# Altium PCB BLDC_DEV_LKS074D(O)_V1.10.PcbDoc (part 2 of 2)
Units mil, origin at the board's own origin, x right, y up, seen from the top; angles counter-clockwise.
Board outline 7086.61 x 4330.71 mil, 2 copper layers (Top Layer, Bottom Layer); 170 components, 78 nets, 454 pads, 395 vias.
Unrouted connection lines stored in the file: 1.
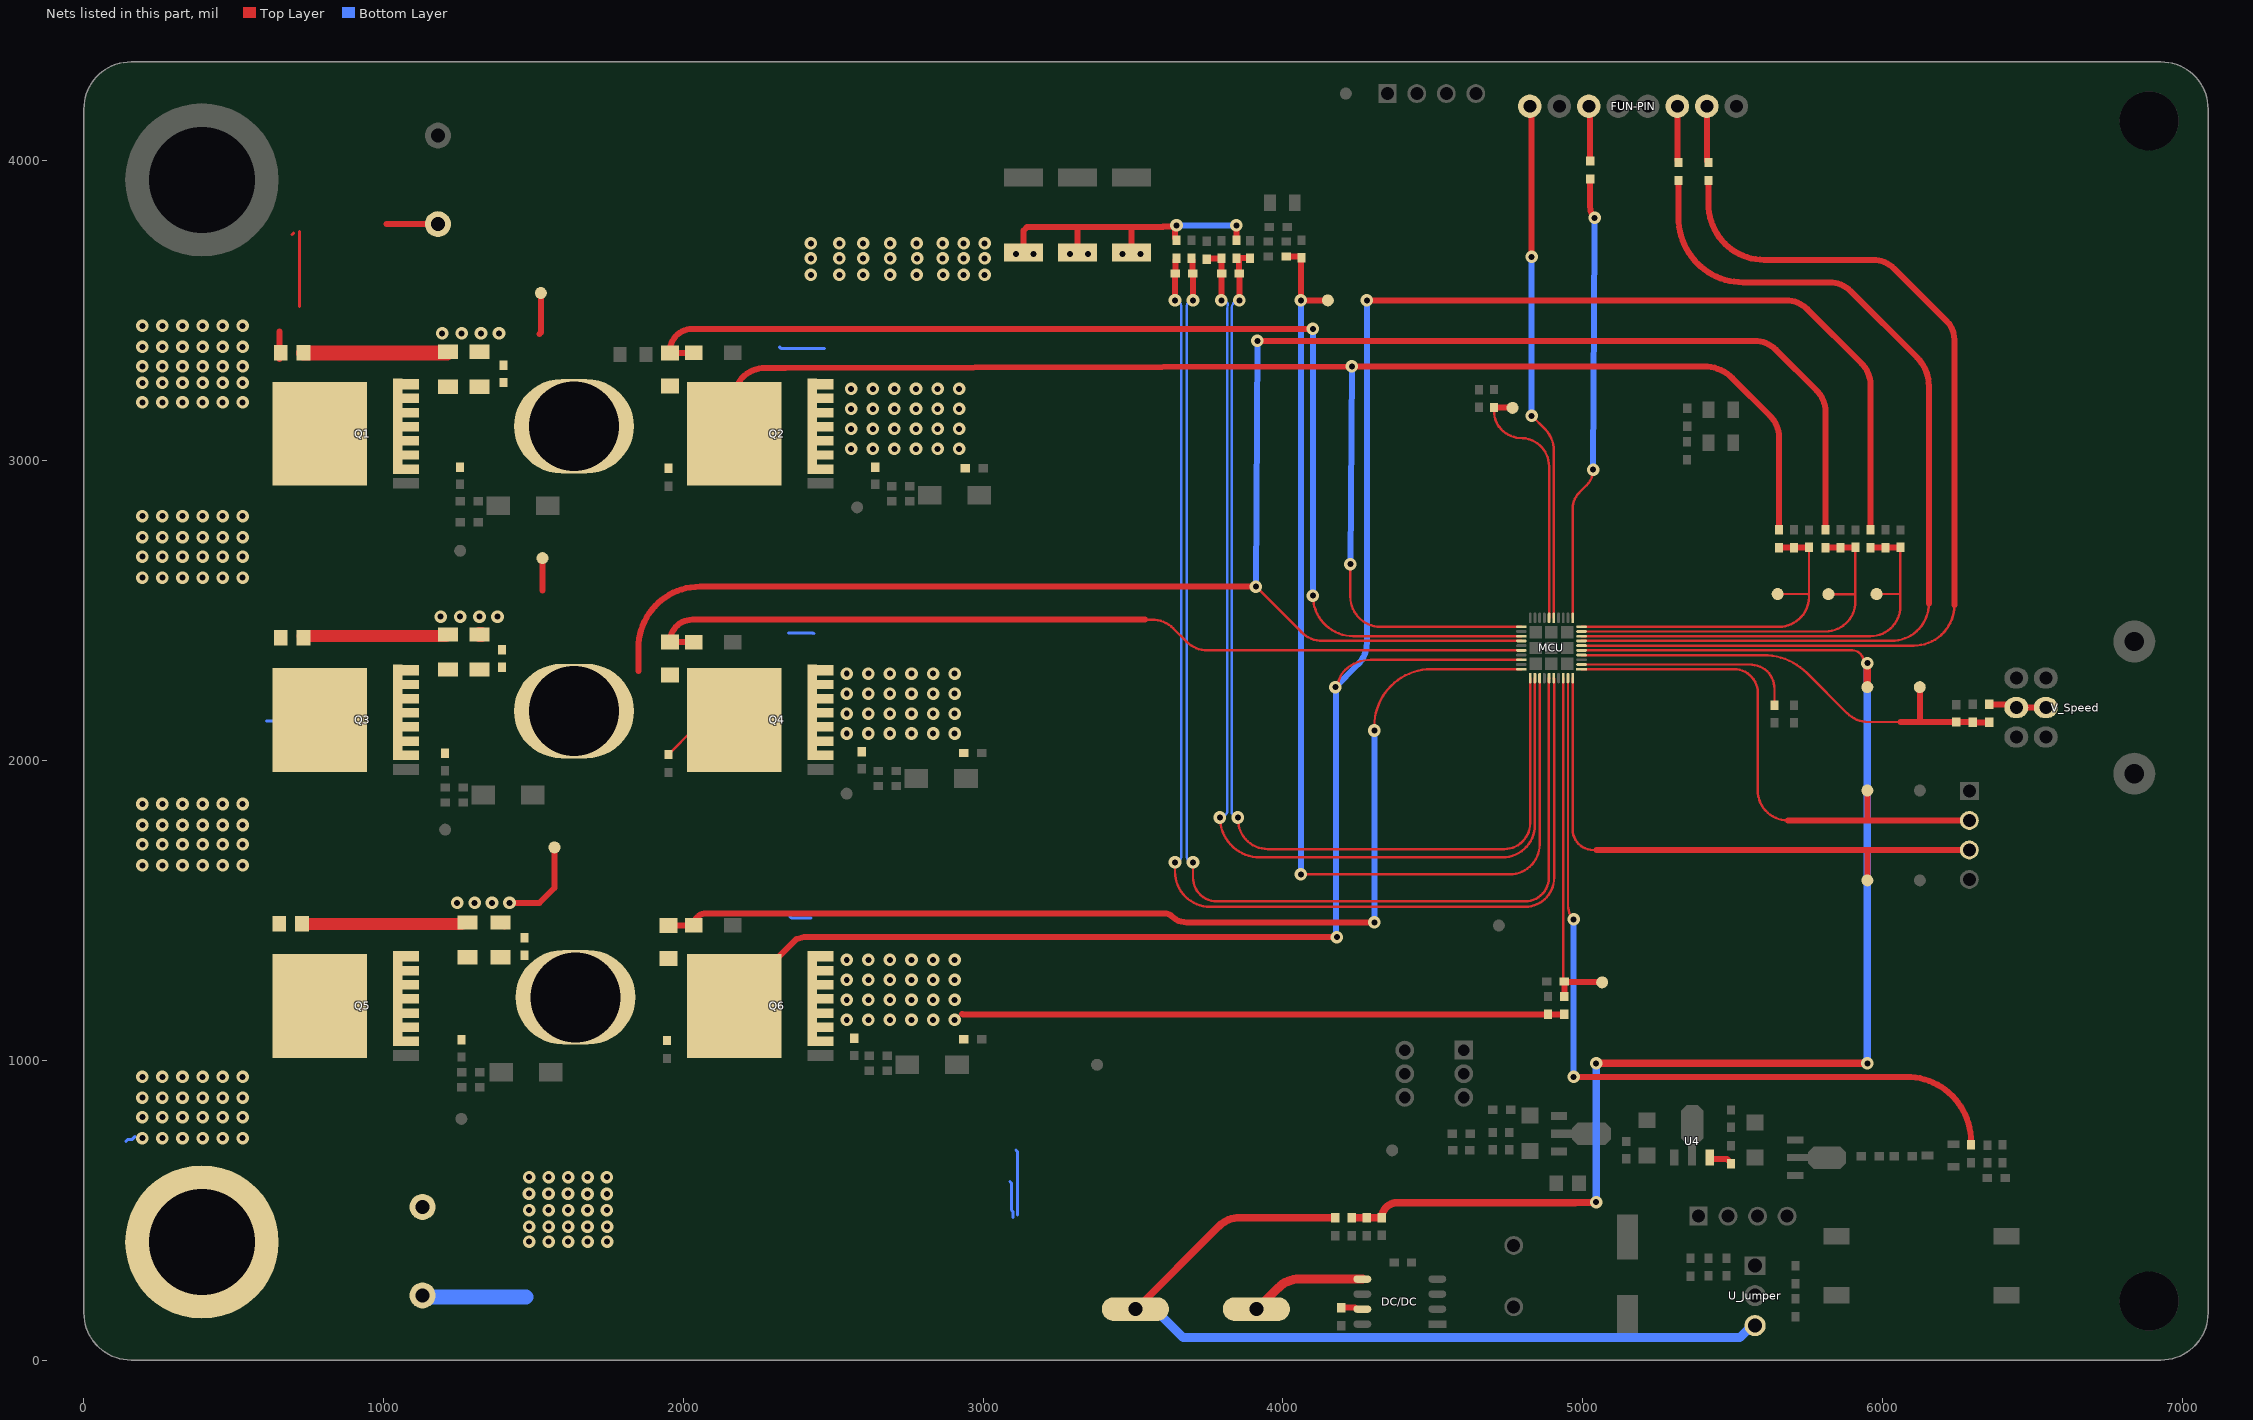
[diagram p2: the nets of this part, all layers, seen from the top]

## Via types
v1: diameter 42, hole 20, Top Layer to Bottom Layer, 395 vias

## Nets (pads, with @x,y where several pads share a name; then routed paths per layer and width w, separated by ;. In a path a pad name is that pad's centre, name@x,y a point inside that pad or via, vN(x,y) a via of type N, cw(c..) or ccw(c..) an arc to the next point about the centre after c; other vN are vias at no path point) (continued)
NetR11_2: R11.2 U4.3 | length 80.8
  Top Layer w20: U4.3@5424.8,675 5424.8,673.03 5427.83,670 5481.97,670 5495,656.97 R11.2@5495,655
NetR17_1: FUN-PIN.2 R17.1 | length 183
  Top Layer w20: FUN-PIN.2@5414.25,4182.59 cw(c5414.25,4181.84) 5415,4181.84 R17.1@5415,4000
NetR18_1: FUN-PIN.3 R18.1 | length 181.7
  Top Layer w20: R18.1@5315.83,4000.88 5315.83,4182.48 cw(c5335.83,4182.48) FUN-PIN.3@5315.83,4182.59
NetRK1_1: RK1.1 V_Speed.3 V_Speed.5 | length 195.1
  Top Layer w20: RK1.1@6356.22,2187.61 6435.54,2187.61 cw(c6435.54,2176.58) V_Speed.3@6446.57,2176.58 V_Speed.5@6545,2176.58
NetRM1_1: FUN-PIN.6 RM1.1 | length 185.1
  Top Layer w20: FUN-PIN.6@5020.55,4182.59 cw(c5020.55,4178.14) 5025,4178.14 RM1.1@5025,4000
NetRX1_2: DC/DC.7 RX1.2 | length 72.1
  Top Layer w20: RX1.2@4195,175 4241.15,175 4246.15,170 DC/DC.7@4265,170
NetU7_5: DC/DC.5 U_POWER.1 | length 862.8
  Top Layer w20: U_POWER.1@3911.77,170 U_POWER.1@3983.23,170
  Top Layer w30: 3984.25,240.71 cw(c4054.96,170) 4054.96,270 ; 3984.25,240.71 cw(c4054.96,170) 4054.96,270 ; 3984.25,240.71 3908.54,165 3913.54,170 3984.25,240.71 ; 4054.96,270 DC/DC.5@4265,270 4054.96,270
NRST: C24.2 MCU.2 | length 745.1
  Top Layer w8: MCU.2@4996.26,2320.28 5555.99,2320.28 cw(c5556.05,2229.98) 5615.27,2298.15 cw(c5610.02,2292.11) 5615.67,2297.77 cw(c5556.32,2238.79) 5640,2238.79 C24.2@5640,2184.06
NTC: C11.2 MCU.33 NTC.1 RN1.1 | length 3618.8
  Top Layer w8: v1(4060,1620) 4756.5,1620 ccw(c4756.5,1720) 4856.5,1720 MCU.33@4856.5,2275
  Top Layer w20: RN1.1@4011.85,3681.65 C11.2@4057.79,3681.65 ; NTC.1@4150,3535 v1(4060,3535) C11.2@4060,3675.75 ; C11.2@4057.79,3681.65 cw(c4057.79,3677.6) C11.2@4061.85,3677.6 ; C11.2@4057.79,3681.65 cw(c4057.79,3677.6) C11.2@4061.85,3677.6 ; C11.2@4060,3675.75 cw(c4061.85,3675.75) C11.2@4061.85,3677.6 ; C11.2@4060,3675.75 cw(c4061.85,3675.75) C11.2@4061.85,3677.6
  Bottom Layer w20: v1(4060,1620) v1(4060,3535)
OC: C1.1 MCU.38 OC.1 R30.2 | length 1188.7
  Top Layer w8: MCU.38@4935.24,2275 4935.24,1269.53 ccw(c4944.74,1269.53) C1.1@4938.02,1262.81
  Top Layer w20: R30.2@4939.02,1212.81 4939.02,1261.81 4939.42,1261.4 5063.6,1261.4 OC.1@5065,1260
OPA2_IN: C17.2 CT0.1 MCU.32 RT1-.2 | length 3629.9
  Top Layer w8: v1(3790,1810) ccw(c3923,1810) 3923,1677 4732.75,1677 ccw(c4732.75,1785) 4840.75,1785 MCU.32@4840.75,2275
  Top Layer w20: RT1-.2@3745.86,3672.23 3747.72,3674.09 3793.14,3674.09 C17.2@3795,3675.95 3795.5,3675.45 C17.2@3795.5,3672.81 ; v1(3795,3535) 3795.5,3535.5 3795.5,3624.5 CT0.1@3796,3625 3795.5,3625.5 C17.2@3795.5,3672.81 ; C17.2@3795.39,3672.7 C17.2@3795.5,3672.81 ; C17.2@3795.86,3673.18 C17.2@3795.5,3672.81 ; CT0.1@3796.22,3625 CT0.1@3800,3621.22
  Bottom Layer w8: v1(3790,1810) ccw(c3790,1835) 3815,1835 3815,3509 cw(c3855,3509) 3816.26,3518.95 ccw(c3808.5,3520.91) 3814.52,3526.18 ccw(c3795,3509) v1(3795,3535)
OPA2_IP: C18.1 CT0.2 MCU.31 RT1+.2 | length 3518.2
  Top Layer w8: v1(3850,1810) 3850,1804.5 ccw(c3950,1804.5) 3950,1704.5 3980,1704.5 4738.5,1704.5 ccw(c4738.5,1791) 4825,1791 MCU.31@4825,2275
  Top Layer w20: RT1+.2@3845,3675.95 3845,3673.98 3854.06,3664.92 CT0.2@3854.06,3625 3854.53,3624.53 3854.53,3535.47 v1(3855,3535) ; RT1+.2@3845.03,3675.97 C18.1@3890,3676 ; CT0.2@3850,3621.22 CT0.2@3853.78,3625
  Bottom Layer w8: v1(3850,1810) cw(c3850,1831) 3829,1831 3829,3509 cw(c3855,3509) v1(3855,3535)
OPA3_IN: CT.2 MCU.35 RT0-.1 | length 4039.7
  Top Layer w8: v1(3700,1660) 3700,1610 ccw(c3780,1610) 3780,1530 4807.99,1530 ccw(c4807.99,1608.98) 4886.97,1608.98 4886.97,2275 MCU.35@4887.99,2275
  Top Layer w15: RT0-.1@3695,3675 RT0-.1@3697.03,3672.97
  Top Layer w20: RT0-.1@3695,3675 3695,3673.03 3699.06,3668.98 CT.2@3699.06,3625 3699.53,3624.53 3699.53,3535.47 v1(3700,3535)
  Bottom Layer w8: v1(3700,1660) cw(c3700,1681) 3679,1681 3679,3514 cw(c3700,3514) v1(3700,3535)
  Bottom Layer w20: v1(3700,3535) v1@3701,3535
OPA3_IP: CT.1 MCU.36 RT0+.1 | length 4128.8
  Top Layer w8: v1(3640,1660) 3640,1628.98 ccw(c3756.98,1628.98) 3756.98,1512 4807.99,1512 ccw(c4807.99,1608.98) 4904.97,1608.98 4904.97,2259 ccw(c4896.97,2258.96) 4904.9,2260.01 cw(c4919.49,2262.01) 4904.76,2262.01 4904.76,2271.08 ccw(c4896.76,2271.08) 4904.44,2273.33 4903.74,2273.33 MCU.36@4903.74,2275
  Top Layer w15: RT0+.1@3643,3673 RT0+.1@3645,3675
  Top Layer w20: v1(3640,3535) 3640.5,3535.5 3640.5,3624.5 CT.1@3641,3625 3641,3669.03 3645,3673.03 RT0+.1@3645,3675
  Bottom Layer w8: v1(3640,1660) ccw(c3640,1681) 3661,1681 3661,3514 ccw(c3640,3514) v1(3640,3535)
OPA_OUT: MCU.16 OPA-OUT.1 R31.1 | length 869
  Top Layer w8: R31.1@4704.74,3177.6 ccw(c4794.52,3166.46) 4779.07,3077.32 ccw(c4811.26,3263.44) 4809.31,3074.56 cw(c4809.2,3066.56) 4810.68,3074.43 cw(c4793.14,2981.21) 4887.99,2981.5 MCU.16@4887.99,2475.79
  Top Layer w20: R31.1@4703.98,3177.69 4704.74,3177.69 4764.88,3177.69 cw(c4764.88,3176.55) OPA-OUT.1@4766.02,3176.55
PA: C123.1 MCU.10 PA.1 R61-22K.1 R62.2 | length 1185.9
  Top Layer w8: MCU.10@4996.26,2446.26 5655,2446.26 ccw(c5655,2546.26) 5754.62,2554.97 ; PA.1@5650.39,2555.39 5754.61,2555.39 5755,2555 5755,2710 C123.1@5755,2711
  Top Layer w20: R61-22K.1@5655,2710 R62.2@5705,2710 5754,2710 ccw(c5754,2711) C123.1@5755,2711
PB: C124.1 MCU.9 PB.1 R63-22K.1 R64.2 | length 1341.9
  Top Layer w8: MCU.9@4996.26,2430.51 5810,2430.51 ccw(c5810,2530.51) 5910,2530.51 5910,2555 ; PB.1@5820,2555 5910,2555 ; C124.1@5910,2711 5910,2555
  Top Layer w20: R63-22K.1@5810,2710 R64.2@5860,2710 5909,2710 ccw(c5909,2711) C124.1@5910,2711
PC: C125.1 MCU.8 PC.1 R66-22K.1 R67.2 | length 1497.4
  Top Layer w8: MCU.8@4996.26,2414.76 5009.25,2414.76 5949.99,2415 cw(c5950,2370) 5951.14,2414.99 5959.8,2414.77 ccw(c5960,2422.76) 5960,2414.76 ccw(c5960,2514.76) 6060,2514.76 6060,2555 ; PC.1@5980.39,2555.39 6059.61,2555.39 6060,2555 ; C125.1@6060,2711 6060,2555
  Top Layer w20: R66-22K.1@5960,2710 R67.2@6010,2710 6059,2710 ccw(c6059,2711) C125.1@6060,2711
PGND: CA1.2 CB1.2 CC1.2 CLA1.2 CLB1.2 CLC1.2 CT1.2 CU.2 CV.2 CW.2 PGND.1 Q2.2 Q2.3 Q2.4 Q2.5 Q2.6 Q2.7 Q2.8 Q4.2 Q4.3 Q4.4 Q4.5 Q4.6 Q4.7 Q4.8 Q6.2 Q6.3 Q6.4 Q6.5 Q6.6 Q6.7 Q6.8 R10.1 R30.1 RLA.1 RLB.1 RLC.1 RS1.1 RS2.1 RS3.1 RT0+.2 RT1+.1 RU0.1 RU1.1 RV0.1 RV1.1 RW3.1 RW4.1 | length 6096.6
  Top Layer w20: RU0.1@1211.78,3360 RU0.1@1215,3363.22 ; RW3.1@1390,1460 RW3.1@1403.77,1446.23 ; v1(1420,1525) 1520,1525 1570,1575 PGND.1@1570,1710 ; 1520,3423 1524.61,3427.61 PGND.1@1524.61,3559.61 ; 1530,2567 PGND.1@1530,2675 ; 2930,1155 ccw(c2935.29,1160.29) 2935.29,1152.81 R10.1@4884.02,1152.81 R30.1@4939.02,1152.81 ; RS3.1@3135,3695 3135,3768.28 3146.72,3780 3600,3780 3600.79,3780.79 v1@3640.79,3780.79 ; RS2.1@3315,3695 3315,3770 ; RS1.1@3495,3695 3495,3770 ; RT0+.2@3640.79,3742.29 v1@3640.79,3780.79 ; v1(3645,3785) v1@3640.79,3780.79 ; RT1+.1@3845,3735.95 v1(3845,3785)
  Top Layer w40: CB1.2@730,2415 RV1.1@1208.78,2415 ; CC1.2@740,1455 RW4.1@1260,1455
  Top Layer w50: CA1.2@733,3360 RU0.1@1211.78,3360 ; RV0.1@1320,2420 RV0.1@1327.25,2420
  Bottom Layer w10: 2320,3380 2325,3375 2470,3375 ; 2350,2425 2433,2425 2435,2423 ; 2355,1480 2360,1475 2425,1475 ; 3090,595 3095,590 3095,500 3100,495 3100,475 ; 3110,700 3115,695 3115,483
  Bottom Layer w20: v1(3645,3785) v1(3845,3785)
  Bottom Layer w50: CT1.2@1130,210 1475,210
  other v1: 2545,1135 2617,1135 2689,1135 2761,1135 2833,1135 2905,1135 2545,1201.67 2617,1201.67 2689,1201.67 2761,1201.67 2833,1201.67 2905,1201.67 2545,1268.33 2617,1268.33 2689,1268.33 2761,1268.33 2833,1268.33 2905,1268.33 2545,1335 2617,1335 2689,1335 2761,1335 2833,1335 2905,1335 1245,1525 1303.33,1525 1361.67,1525 2545,2090 2617,2090 2689,2090 2761,2090 2833,2090 2905,2090 2545,2156.67 2617,2156.67 2689,2156.67 2761,2156.67 2833,2156.67 2905,2156.67 2545,2223.33 2617,2223.33 2689,2223.33 2761,2223.33 2833,2223.33 2905,2223.33 2545,2290 2617,2290 2689,2290 2761,2290 2833,2290 2905,2290 1190,2480 1255,2480 1320,2480 1380,2480 2560,3040 2632,3040 2704,3040 2776,3040 2848,3040 2920,3040 2560,3106.67 2632,3106.67 2704,3106.67 2776,3106.67 2848,3106.67 2920,3106.67 2560,3173.33 2632,3173.33 2704,3173.33 2776,3173.33 2848,3173.33 2920,3173.33 2560,3240 2632,3240 2704,3240 2776,3240 2848,3240 2920,3240 1195,3425 1260,3425 1325,3425 1385,3425 2425,3620 2520,3620 2600,3620 2690,3620 2778.33,3620 2866.67,3620 2935,3620 3005,3620 2425,3675 2520,3675 2600,3675 2690,3675 2780,3675 2865,3675 2935,3675 3005,3675 3110,3690 3168.33,3690 3290,3690 3350,3690 3465,3690 3525,3690 2425,3725 2520,3725 2600,3725 2690,3725 2778.33,3725 2865,3725 2935,3725 3005,3725
Power_Con: MCU.39 R22.1 | length 2795.5
  Top Layer w8: MCU.39@4950.98,2275 4950.98,1515.91 ccw(c5015.91,1515.91) v1(4970,1470)
  Top Layer w20: v1(4970,945) 6080,945 cw(c6080,729.72) 6295.28,729.72 R22.1@6295.28,717.45
  Bottom Layer w20: v1(4970,945) v1(4970,1470)
PWM_IN: MCU.11 RM1.2 | length 1504.8
  Top Layer w8: MCU.11@4966.55,2476.12 4966.55,2840 cw(c5042.73,2840) 4988.87,2893.87 5013.79,2918.79 ccw(c4962.57,2970) v1(5035,2970) ; RM1.2@5025,3940 cw(c5025,3935) RM1.2@5030,3935
  Top Layer w20: RM1.2@5025,3940 5025,3846.21 ccw(c5076.21,3846.21) v1(5040,3810)
  Bottom Layer w20: v1@5030,2975 v1(5035,2970) cw(c5055,2970.14) 5035,2970.2 5035.03,2974.97 5039.68,3748.91 v1(5040,3810)
RX: MCU.6 R17.2 | length 3335.3
  Top Layer w8: MCU.6@4996.26,2383.27 6105,2383.27 ccw(c6105,2518.27) 6240,2518.27
  Top Layer w20: R17.2@5420,3935 5420,3855.48 ccw(c5605.48,3855.48) 5605.48,3670 5968.58,3670 cw(c5968.58,3570) 6039.29,3640.71 6215.25,3464.75 cw(c6155.5,3405) 6240,3405 6240,2518.27
STATE: FUN-PIN.8 MCU.15 | length 1751.6
  Top Layer w8: FUN-PIN.8@4823.7,4182.59 cw(c4823.7,4176.29) FUN-PIN.8@4830,4176.29 ; v1(4830,3150) 4874.45,3105.55 cw(c4803.74,3034.84) 4903.74,3034.84 MCU.15@4903.74,2475.79
  Top Layer w20: v1(4830,3680) 4830,4168.02 ccw(c4810,4168.02) 4824.4,4181.9 FUN-PIN.8@4830,4176.29
  Bottom Layer w20: v1(4830,3150) v1(4830,3680)
SWCLK: ?.3 CLK.1 MCU.40 | length 1968.9
  Top Layer w8: MCU.40@4966.73,2275 4966.73,1770 ccw(c5035.15,1770) 5035.15,1701.59 5046.18,1701.59
  Top Layer w20: 5046.18,1701.59 5950,1701.59 ; CLK.1@5950,1600 5950,1701.59 ; ?.3@6290,1701.59 5950,1701.59
SWDIO: ?.2 DIO.1 MCU.1 | length 1821.6
  Top Layer w8: MCU.1@4996.26,2304.53 5505.47,2304.53 cw(c5505.47,2225.79) 5584.21,2225.79 5584.21,1900 ccw(c5684.21,1900) 5684.21,1800
  Top Layer w20: 5684.21,1800 5950,1800 ; DIO.1@5950,1900 5950,1800 ; ?.2@6290,1800 5950,1800
TX: MCU.7 R18.2 | length 3203.8
  Top Layer w8: MCU.7@4996.26,2399.02 6030,2399.02 ccw(c6030,2524.02) 6155,2524.02
  Top Layer w20: R18.2@5320,3935 5320,3810.1 ccw(c5535.1,3810.1) 5535.1,3595 5823.58,3595 cw(c5823.58,3495) 5894.29,3565.71 6115.71,3344.29 cw(c6020.86,3249.44) 6155,3249.5 6155,2524.02
UX: CA.2 CHA1.2 CU.1 MCU.21 pad.U Q1.2 Q1.3 Q1.4 Q1.5 Q1.6 Q1.7 Q1.8 Q2.9 R61-22K.2 RHA.1 RU0.2 RU1.2 | length 5586
  Top Layer w8: v1(4225,2655) 4225,2546.26 ccw(c4325,2546.26) 4325,2446.26 MCU.21@4795.47,2446.26
  Top Layer w20: CA.2@1955,3250 CA.2@1960,3250 ; Q2.9@2242.83,3162.83 Q2.9@2170,3090 2170,3208.89 cw(c2270,3208.89) 2262.95,3308.64 cw(c2270,3208.89) 2270,3308.89 2340,3308.89 v1(4230,3315) 4291,3315 5404.35,3315 5404.5,3315 cw(c5404.44,3180.86) 5499.29,3275.71 5625.71,3149.29 cw(c5555,3078.58) 5655,3078.58 R61-22K.2@5655,2770
  Bottom Layer w20: v1(4225,2655) v1(4230,3315)
V_Speed: CS0.2 MCU.4 RK1.2 RS0.2 V_Speed.1@6124.61,2244.61 | length 1556
  Top Layer w8: MCU.4@4996.26,2351.77 5603.24,2351.77 cw(c5603.3,2146.73) 5748.27,2291.73 5748.34,2291.66 5882.15,2157.85 ccw(c5952.86,2228.56) 5952.86,2128.56 6060,2128.56
  Top Layer w20: 6060,2128.56 6125,2128.56 ; V_Speed.1@6124.61,2244.61 6124.61,2128.95 6125,2128.56 ; RK1.2@6356.22,2127.61 RS0.2@6301.22,2127.61 ccw(c6300.27,2127.61) 6300.27,2128.56 CS0.2@6246.22,2128.56 6125,2128.56
VB1: CA.1 D5.2 MCU.23 | length 3935.5
  Top Layer w8: v1(4100,2550) ccw(c4235.23,2550) 4235.23,2414.77 MCU.23@4795.47,2414.76
  Top Layer w20: D5.2@2035.04,3360 CA.1@1955,3360 1955,3365 cw(c2030,3365) 2030,3440 v1(4100,3440)
  Bottom Layer w20: v1(4100,2550) v1(4100,3440)
VB2: CB.1 D6.2 MCU.26 | length 2997.2
  Top Layer w8: 3540,2470 3563.58,2470 cw(c3563.58,2370) 3634.29,2440.71 3678.19,2396.81 ccw(c3748.9,2467.52) 3748.9,2367.52 MCU.26@4795.47,2367.52
  Top Layer w20: D6.2@2035.04,2395 CB.1@1955,2395 cw(c2030,2395) 2030,2470 3540,2470
VB3: CC.1 D7.2 MCU.30 | length 3639.3
  Top Layer w8: v1(4305,2100) 4305,2114.6 cw(c4494.93,2114.6) 4494.93,2304.53 MCU.30@4795.47,2304.53
  Top Layer w20: CC.1@1950,1450 D7.2@2035.04,1450 cw(c2075.06,1450) 2075.06,1490.02 3605.82,1490.02 cw(c3605.82,1455.82) 3630,1480 ccw(c3678.22,1528.22) 3678.22,1460.03 3754.49,1460.03 v1(4305,1460)
  Bottom Layer w20: v1(4305,1460) v1(4305,2100)
VBUS: C16.1 MCU.5 R40.2 R42.2 VBUS.1 | length 4601.5
  Top Layer w8: MCU.5@4996.26,2367.52 5899.24,2367.52 cw(c5899.29,2329.8) 5936.15,2337.81 ccw(c5943.96,2339.56) v1@5939.12,2333.19 ; v1@5939.15,2333.17 v1(5950,2325)
  Top Layer w25: R40.2@4230,475 R42.2@4280,475 4281.28,475 4328.72,475 C16.1@4330,474 cw(c4381,474) 4381,525 4974,525 ccw(c4974,550) 4974.68,525.01 v1(5045,527) ; v1(5045,990) v1(5950,990) ; VBUS.1@5949.61,2244.61 5949.8,2244.8 5949.8,2324.8 v1(5950,2325)
  Bottom Layer w25: v1(5045,527) v1(5045,990) ; v1(5950,990) v1(5950,2325)
VCC: CA1.1 CB1.1 CC1.1 CT1.1 CT2.1 pad.VCC Q1.9 Q3.9 Q5.9 R8.1 U_Jumper.3 U_POWER.2 | length 4133.3
  Top Layer w10: 695,3755 700,3760 ; 720,3515 720,3765
  Top Layer w20: CA1.1@652,3340 652,3432 ; 1009.37,3789.37 CT2.1@1181.11,3789.38
  Top Layer w25: U_POWER.2@3505,165 3785.71,445.71 ; 3785.71,445.71 cw(c3856.42,375) 3856.42,475 ; 3785.71,445.71 cw(c3856.42,375) 3856.42,475 ; 3856.42,475 R8.1@4175,475 3856.42,475
  Bottom Layer w10: 140,729.14 145.86,735 160,735 170,745 ; 610,2131 724,2131 725,2130 ; 645,3099 724,3099 725,3100 ; 660,1175 720,1175
  Bottom Layer w25: U_POWER.2@3508.23,170 U_POWER.2@3581.06,170
  Bottom Layer w30: U_POWER.2@3577.83,165 3667.83,75 5523.94,75 5563.94,115 U_Jumper.3@5575,115 U_Jumper.3@5575,110
  other v1: 1485.78,395 1550.78,395 1615.78,395 1680.78,395 1745.78,395 1485.78,445 1550.78,445 1615.78,445 1680,445 1745.78,445 1485.78,500 1550.78,500 1615.78,500 1680,500 1745,500 1680,553.75 1745,553.75 1485,555 1550,555 1615,555 1485.78,610 1550.78,610 1615.78,610 1680.78,610 1745,610 195,740 262,740 329,740 396,740 463,740 530,740 195,810 262,810 329,810 396,810 463,810 530,810 195,875 262,875 329,875 396,875 463,875 530,875 195,945 262,945 329,945 396,945 463,945 530,945 195,1650 262,1650 329,1650 396,1650 463,1650 530,1650 195,1720 262,1720 329,1720 396,1720 463,1720 530,1720 195,1785 262,1785 329,1785 396,1785 463,1785 530,1785 195,1855 262,1855 329,1855 396,1855 463,1855 530,1855 195,2610 262,2610 329,2610 396,2610 463,2610 530,2610 195,2680 262,2680 329,2680 396,2680 463,2680 530,2680 195,2745 262,2745 329,2745 396,2745 463,2745 530,2745 195,2815 262,2815 329,2815 396,2815 463,2815 530,2815 195,3195 262,3195 329,3195 396,3195 463,3195 530,3195 195,3260 262,3260 329,3260 396,3260 463,3260 530,3260 195,3315 262,3315 329,3315 396,3315 463,3315 530,3315 195,3380 262,3380 329,3380 396,3380 463,3380 530,3380 195,3450 262,3450 329,3450 396,3450 463,3450 530,3450
VS2: CB.2 CHB1.2 CV.1 MCU.24 pad.V Q3.2 Q3.3 Q3.4 Q3.5 Q3.6 Q3.7 Q3.8 Q4.9 R63-22K.2 RHB.1 RV0.2 RV1.2 | length 6694.9
  Top Layer w8: RHB.1@1950,2020 2036.26,2106.26 cw(c2106.97,2035.55) 2106.97,2135.55 Q4.9@2170,2135.55 ; v1(3910,2580) 4061.69,2428.31 ccw(c4132.41,2499.02) 4132.41,2399.02 MCU.24@4795.47,2399.02
  Top Layer w20: 1850,2299 1850,2375 cw(c2055,2375) 2055,2580 v1(3910,2580) ; v1(3915,3400) 5573.58,3400 cw(c5573.58,3300) 5644.29,3370.71 5780.71,3234.29 cw(c5710,3163.58) 5810,3163.58 R63-22K.2@5810,2770
  Bottom Layer w20: v1(3910,2580) v1(3915,3400)
VS3: CC.2 CHC1.2 CW.1 MCU.28 pad.W Q5.2 Q5.3 Q5.4 Q5.5 Q5.6 Q5.7 Q5.8 Q6.9 R66-22K.2 RHC.1 RW3.2 RW4.2 | length 7239.8
  Top Layer w8: v1(4175,2245) 4176.01,2245 4179,2245 4181.26,2246.96 ccw(c4176.01,2253) 4182.12,2247.83 4183.68,2249.69 4183.81,2249.68 cw(c4261.66,2245.67) 4207.94,2302.16 cw(c4292.71,2212.98) 4292.71,2336.02 MCU.28@4795.47,2336.02
  Top Layer w20: Q6.9@2170,1181.1 2170,1196.85 2377.17,1404.02 2401.93,1411 v1(4180,1411) ; v1(4280,3535) 5678.58,3535 cw(c5678.58,3435) 5749.29,3505.71 5930.71,3324.29 cw(c5860,3253.58) 5960,3253.58 R66-22K.2@5960,2770
  Bottom Layer w20: v1(4180,1411) 4177.5,1413.5 4177.5,2242.5 v1(4175,2245) 4250.71,2320.71 ccw(c4180,2391.42) 4280,2391.42 v1(4280,3535)
pads on no net: CW/CCW.1@4603.42,1033.74 CW/CCW.4 CW/CCW.6 DC/DC.3 DC/DC.6 V_Speed.0

## Polygon pours and split planes (outlines as drawn)
UX on Top Layer "UX_L01_P000" (hatched Horizontal grid 4 track 5, remove dead copper, pour order 0): 1030,3275 2330,3275 2330,2955 1030,2955
NetCHB1_1 on Top Layer "NETCHB1_1_L01_P124" (hatched Horizontal grid 4 track 5, remove dead copper, pour order 124): 1032.5,1985 1220,1985 1220,1840 1032.5,1840
HO3 on Top Layer "HO3_L01_P123" (hatched Horizontal grid 4 track 5, remove dead copper, pour order 123): 1515,930 1515,900 1597.33,900 1597.33,930
HO3 on Top Layer "HO3_L01_P122" (hatched Horizontal grid 4 track 5, remove dead copper, pour order 122): 1516.33,980 1597.33,980 1597.33,1016.46 1516.33,1016.46
HO2 on Top Layer "HO2_L01_P121" (hatched Horizontal grid 4 track 5, remove dead copper, pour order 121): 1455.28,1825 1537.69,1825 1537.69,1855 1455.28,1855
HO2 on Top Layer "HO2_L01_P120" (hatched Horizontal grid 4 track 5, remove dead copper, pour order 120): 1460,1913.54 1537.33,1913.54 1537.33,1970 1460,1970
HO1 on Top Layer "HO1_L01_P119" (hatched Horizontal grid 4 track 5, remove dead copper, pour order 119): 1510,2785 1587.33,2785 1587.33,2820 1510,2820
HO1 on Top Layer "HO1_L01_P118" (hatched Horizontal grid 4 track 5, remove dead copper, pour order 118): 1511.96,2878.54 1588.04,2878.54 1588.04,2925 1511.96,2925
VCC on Top Layer "VCC_L01_P117" (hatched Horizontal grid 4 track 5, remove dead copper, pour order 117): 665,1352.5 665,1010 695,1010 695,1352.5
PGND on Top Layer "PGND_L01_P115" (hatched Horizontal grid 4 track 5, remove dead copper, pour order 115): 3050,3752.5 3050,3785 3595,3785 3595,3752.5
GND on Top Layer "GND_L01_P114" (hatched Horizontal grid 4 track 5, remove dead copper, pour order 114): 3055,3875 3055,3835 3590,3835 3590,3875
LDO5V on Top Layer "LDO5V_L01_P113" (hatched Horizontal grid 4 track 5, remove dead copper, pour order 113): 4745,855 4745,790 4950,790 4950,855
12V on Top Layer "12V_L01_P112" (hatched Horizontal grid 4 track 5, remove dead copper, pour order 112): 4895,650 4895,611.95 4893.05,610 4935,610 4935,650
12V on Top Layer "12V_L01_P111" (hatched Horizontal grid 4 track 5, remove dead copper, pour order 111): 4895,650 5330,650 5330,705 4895,705
LO3 on Top Layer "LO3_L01_P110" (hatched Horizontal grid 4 track 5, remove dead copper, pour order 110): 2885,930 3015,930 3015,1015 2885,1015
LO3 on Top Layer "LO3_L01_P109" (hatched Horizontal grid 4 track 5, remove dead copper, pour order 109): 2980,1080 2980,980 3010,980 3010,1080
LO2 on Top Layer "LO2_L01_P108" (hatched Horizontal grid 4 track 5, remove dead copper, pour order 108): 2904.65,1880 3015,1880 3015,1910 2904.65,1910
LO2 on Top Layer "LO2_L01_P107" (hatched Horizontal grid 4 track 5, remove dead copper, pour order 107): 2980,2040 2980,1910 3010,1910 3010,2040
LO1 on Top Layer "LO1_L01_P106" (hatched Horizontal grid 4 track 5, remove dead copper, pour order 106): 2950,2826 3026.46,2826 3026.46,2866 2950,2866
LO1 on Top Layer "LO1_L01_P105" (hatched Horizontal grid 4 track 5, remove dead copper, pour order 105): 2981,2990 2981,2913.54 3021,2913.54 3021,2990
PGND on Top Layer "PGND_L01_P036" (hatched Horizontal grid 4 track 5, remove dead copper, pour order 36): 787.74,3320 1695,3320 1695,3495 930,3495 ccw(c1219.98,3030.02) 773.46,3347.69 ccw(c787.74,3337.52)
NetCHC1_1 on Top Layer "NETCHC1_1_L01_P096" (hatched Horizontal grid 4 track 5, remove dead copper, pour order 96): 1029.96,1029.41 1029.96,889.41 1154.73,889.41 1279.96,889.41 1279.96,1029.41
NetCHA1_1 on Top Layer "NETCHA1_1_L01_P092" (hatched Horizontal grid 4 track 5, remove dead copper, pour order 92): 1031.36,2935 1031.36,2780 1265,2780 1270.34,2780 1272.83,2787.83 1270.34,2790.33 1270.34,2935
GND on Top Layer "GND_L01_P091" (hatched Horizontal grid 4 track 5, remove dead copper, pour order 91): 4965,559 cw(c4966,559) 4966,560 5115,560 5115,620 ccw(c5114,620) 5114,621 4965,621 4965,559
GND on Top Layer "GND_L01_P090" (hatched Horizontal grid 4 track 5, remove dead copper, pour order 90): 5115,425 5275,425 5275,555 ccw(c5210,555) 5210,620 5115,620
15V on Top Layer "15V_L01_P047" (hatched Horizontal grid 4 track 5, remove dead copper, pour order 47): 5335,175 5355,175 ccw(c5355,195) 5375,195 5375,295 5335,295
PC on Top Layer "PC_L01_P089" (hatched Horizontal grid 4 track 5, remove dead copper, pour order 89): 5943.35,2684 cw(c5944.35,2684) 5944.35,2685 6080,2685 cw(c6080,2685.99) 6079.01,2685.99 6079.01,2728.48 ccw(c6077.49,2728.48) 6077.49,2730 5945,2730 5945,2685.65 cw(c5943.35,2685.65)
PB on Top Layer "PB_L01_P088" (hatched Horizontal grid 4 track 5, remove dead copper, pour order 88): 5788.35,2684 cw(c5789.35,2684) 5789.35,2685 5925,2685 cw(c5925,2685.99) 5924.01,2685.99 5924.01,2728.48 ccw(c5922.49,2728.48) 5922.49,2730 5790,2730 5790,2685.65 cw(c5788.35,2685.65)
PA on Top Layer "PA_L01_P087" (hatched Horizontal grid 4 track 5, remove dead copper, pour order 87): 5633.35,2689 cw(c5634.35,2689) 5634.35,2690 5770,2690 cw(c5770,2690.99) 5769.01,2690.99 5769.01,2733.48 ccw(c5767.49,2733.48) 5767.49,2735 5635,2735 5635,2690.65 cw(c5633.35,2690.65)
NetCHA1_1 on Top Layer "NETCHA1_1_L01_P086" (hatched Horizontal grid 4 track 5, remove dead copper, pour order 86): 1240,2925.39 1240,2797.35 1271.41,2797.35 1271.41,2925.39
NetCHB1_1 on Top Layer "NETCHB1_1_L01_P085" (hatched Horizontal grid 4 track 5, remove dead copper, pour order 85): 1188.59,1972.02 1188.59,1843.98 1220,1843.98 1220,1972.02
NetCHC1_1 on Top Layer "NETCHC1_1_L01_P084" (hatched Horizontal grid 4 track 5, remove dead copper, pour order 84): 1243.59,1023.05 1243.59,895 1275,895 1275,1023.04
VB3 on Top Layer "VB3_L01_P083" (hatched Horizontal grid 4 track 5, remove dead copper, pour order 83): 1978.59,1472.05 1978.59,1425.96 2005,1425.96 2005,1472.04
VB1 on Top Layer "VB1_L01_P082" (hatched Horizontal grid 4 track 5, remove dead copper, pour order 82): 1980,3383.05 1980,3336.96 2006.41,3336.96 2006.41,3383.04
VB2 on Top Layer "VB2_L01_P079" (hatched Horizontal grid 4 track 5, remove dead copper, pour order 79): 1983.59,2418.05 1983.59,2371.96 2010,2371.96 2010,2418.04
GND on Top Layer "GND_L01_P077" (hatched Horizontal grid 4 track 5, remove dead copper, pour order 77): 6225.37,2250.33 6225.37,2175.33 6310.37,2175.33 6310.37,2250.33
GND on Top Layer "GND_L01_P076" (hatched Horizontal grid 4 track 5, remove dead copper, pour order 76): 6225,2315 6225,2240 6590,2240 6590,2315
GND on Top Layer "GND_L01_P062" (hatched Horizontal grid 4 track 5, remove dead copper, pour order 62): 4880,765 4910,765 4910,745 4880,745
GND on Top Layer "GND_L01_P061" (hatched Horizontal grid 4 track 5, remove dead copper, pour order 61): 4353.75,396.65 cw(c4352.1,396.65) 4352.1,395 4267.9,395 cw(c4267.9,402.45) 4260.45,402.45 4260.45,424.81 cw(c4268.12,424.81) 4268.12,432.48 4345.77,432.48 cw(c4345.77,424.26) 4353.75,424.26
GND on Top Layer "GND_L01_P060" (hatched Horizontal grid 4 track 5, remove dead copper, pour order 60): 5510,845 5605,845 5605,820 5510,820
GND on Top Layer "GND_L01_P059" (hatched Horizontal grid 4 track 5, remove dead copper, pour order 59): 6335,730 6415,730 6415,705 6335,705
GND on Top Layer "GND_L01_P058" (hatched Horizontal grid 4 track 5, remove dead copper, pour order 58): 4885.37,765 4795,765 4795,720 ccw(c4801.14,720) 4801.14,713.86 4866.81,713.86 ccw(c4866.81,737.05) 4889.64,741.13
GND on Top Layer "GND_L01_P057" (hatched Horizontal grid 4 track 5, remove dead copper, pour order 57): 4602.84,713.72 4602.84,685.77 4799.23,685.77 cw(c4799.23,685) 4800,685 4800,715 4604.12,715 ccw(c4604.12,713.72)
GND on Top Layer "GND_L01_P056" (hatched Horizontal grid 4 track 5, remove dead copper, pour order 56): 5995.95,2785 5995.95,2755 6070.95,2755 6070.95,2785
GND on Top Layer "GND_L01_P055" (hatched Horizontal grid 4 track 5, remove dead copper, pour order 55): 5845.95,2785 5845.95,2755 5920.95,2755 5920.95,2785
GND on Top Layer "GND_L01_P054" (hatched Horizontal grid 4 track 5, remove dead copper, pour order 54): 5690,2785 5690,2755 5765,2755 5765,2785
GND on Top Layer "GND_L01_P053" (hatched Horizontal grid 4 track 5, remove dead copper, pour order 53): 5475,3194.61 5475,3020.05 5520,3020.05 5520,3194.61
PGND on Top Layer "PGND_L01_P051" (hatched Horizontal grid 4 track 5, remove dead copper, pour order 51): 3242.5,3750 3242.5,3595 3595,3595 3595,3750
GND on Top Layer "GND_L01_P049" (hatched Horizontal grid 4 track 5, remove dead copper, pour order 49): 5075,725 5190,725 ccw(c5193.5,773.5) 5241.85,778.71 5235.25,840 5120,840 5075,795 5075,720
GND on Top Layer "GND_L01_P048" (hatched Horizontal grid 4 track 5, remove dead copper, pour order 48): 5242,770 5465,770 5465,830 5242,830
15V on Top Layer "15V_L01_P046" (hatched Horizontal grid 4 track 5, remove dead copper, pour order 46): 5110,295 5110,70 5500,70 5500,295
GND on Top Layer "GND_L01_P045" (hatched Horizontal grid 4 track 5, remove dead copper, pour order 45): 5120,434.14 5120,335 ccw(c5135,335) 5135,320 5498.75,320 5498.75,434.14
15V on Top Layer "15V_L01_P044" (hatched Horizontal grid 4 track 5, remove dead copper, pour order 44): 5340,295 5340,255 5500,255 5500,295
VCC on Top Layer "VCC_L01_P012" (hatched Horizontal grid 4 track 5, remove dead copper, pour order 12): -22.58,149.46 86.87,40 3240.62,40 3240.62,579.21 ccw(c3172.02,579.21) 3172.34,647.81 -30.62,662.5
GND on Top Layer "GND_L01_P022" (hatched Horizontal grid 4 track 5, remove dead copper, pour order 22): 630.43,4305 630.43,3875 3590,3875 3590,4305
PGND on Top Layer "PGND_L01_P040" (hatched Horizontal grid 4 track 5, remove dead copper, pour order 40): 2395,3750 2395,3550 3245,3550 3245,3750
PGND on Top Layer "PGND_L01_P035" (hatched Horizontal grid 4 track 5, remove dead copper, pour order 35): 710,2590 710,2380 1795,2380 1795,2590
PGND on Top Layer "PGND_L01_P034" (hatched Horizontal grid 4 track 5, remove dead copper, pour order 34): 710,1610 710,1420 1845,1420 1845,1610
GND on Top Layer "GND_L01_P021" (hatched Horizontal grid 4 track 5, remove dead copper, pour order 21): 0,4360 0,3600 645,3600 645,4360
VCC on Top Layer "VCC_L01_P019" (hatched Horizontal grid 4 track 5, remove dead copper, pour order 19): 770,3542.5 682.5,3542.5 ccw(c682.5,3527.5) 667.5,3527.5 667.5,3445 740,3445 ccw(c740,3475) 770,3475
VCC on Top Layer "VCC_L01_P020" (hatched Horizontal grid 4 track 5, remove dead copper, pour order 20): 670,3737.5 670,3542.5 770,3542.5 770,3737.5
VCC on Top Layer "VCC_L01_P015" (hatched Horizontal grid 4 track 5, remove dead copper, pour order 15): 670,3735 1220,3735 ccw(c1220,3755) 1240,3755 1240,3810 ccw(c1215,3810) 1215,3835 720,3835 ccw(c720,3785) 670,3785
VCC on Top Layer "VCC_L01_P014" (hatched Horizontal grid 4 track 5, remove dead copper, pour order 14): 0,3540 0,535 675,535 675,3550 10,3550 ccw(c10,3540)
VCC on Top Layer "VCC_L01_P013" (hatched Horizontal grid 4 track 5, remove dead copper, pour order 13): 3235,210 3235,31.87 3581.87,31.87 ccw(c3581.87,90) 3640,90 3640,175 ccw(c3605,175) 3605,210
PGND on Top Layer "PGND_L01_P008" (hatched Horizontal grid 4 track 5, remove dead copper, pour order 8): 2440.43,1365 2440.43,1050 2949.57,1050 2949.57,1365
VS3 on Top Layer "VS3_L01_P007" (hatched Horizontal grid 4 track 5, remove dead copper, pour order 7): 1031.5,1370 2330,1370 2330,1050 1031.5,1050
PGND on Top Layer "PGND_L01_P006" (hatched Horizontal grid 4 track 5, remove dead copper, pour order 6): 2440.43,2320 2440.43,2000 2949.57,2000 2949.57,2320
VS2 on Top Layer "VS2_L01_P005" (hatched Horizontal grid 4 track 5, remove dead copper, pour order 5): 1035,2325 2330,2325 2330,2005 1035,2005
PGND on Top Layer "PGND_L01_P003" (hatched Horizontal grid 4 track 5, remove dead copper, pour order 3): 1240,2443 1240,2398 1300,2398 1300,2443
PGND on Top Layer "PGND_L01_P002" (hatched Horizontal grid 4 track 5, remove dead copper, pour order 2): 1240,3385 1240,3340 1300,3340 1300,3385
PGND on Top Layer "PGND_L01_P001" (hatched Horizontal grid 4 track 5, remove dead copper, pour order 1): 2445.43,3270 2445.43,2955 2954.57,2955 2954.57,3270
GND on Bottom Layer "GND_L02_P070" (hatched Horizontal grid 4 track 5, remove dead copper, pour order 70): 5440,920 5860,920 5860,1995 5440,1995
GND on Bottom Layer "GND_L02_P074" (hatched Horizontal grid 4 track 5, remove dead copper, pour order 74): 4367.95,1605 4595,1605 4595,3920 4335,3920
GND on Bottom Layer "GND_L02_P104" (hatched Horizontal grid 4 track 5, remove dead copper, pour order 104): 6063.61,4022.39 cw(c6060.25,4019.03) 6065,4019.03 6065,2410 6330,2410 6330,4020 6069.38,4020 cw(c6069.38,4028.17)
VCC on Bottom Layer "VCC_L02_P103" (hatched Horizontal grid 4 track 5, remove dead copper, pour order 103): 675,1350 675,1010 945,1010 945,1350
VCC on Bottom Layer "VCC_L02_P102" (hatched Horizontal grid 4 track 5, remove dead copper, pour order 102): 670.98,3265 670.98,2916.77 944.88,2916.77 944.88,3265
VCC on Bottom Layer "VCC_L02_P100" (hatched Horizontal grid 4 track 5, remove dead copper, pour order 100): 675,2310 675,1965 944.88,1965 944.88,2310
GND on Bottom Layer "GND_L02_P098" (hatched Horizontal grid 4 track 5, remove dead copper, pour order 98): 5655,1505 ccw(c5655,1500) 5650,1500 5650,950 5430,950 ccw(c5430,955) 5435,955 5435,1505
GND on Bottom Layer "GND_L02_P097" (hatched Horizontal grid 4 track 5, remove dead copper, pour order 97): 4740,2915 4740,1610 5225,1610 5225,2915
GND on Bottom Layer "GND_L02_P075" (hatched Horizontal grid 4 track 5, remove dead copper, pour order 75): 6635,2475 7065,2475 7065,4010 cw(c7040.86,4034.14) 7040.86,4000 6625,4000 6625,2499.14 ccw(c6659.14,2499.14)
GND on Bottom Layer "GND_L02_P073" (hatched Horizontal grid 4 track 5, remove dead copper, pour order 73): 4725,3880 5200,3880 5200,4002.93 ccw(c5182.93,4002.93) 5195,4015 4725,4015
GND on Bottom Layer "GND_L02_P072" (hatched Horizontal grid 4 track 5, remove dead copper, pour order 72): 3593.54,3876.46 cw(c3602.07,3867.93) 3602.07,3880 4725,3880 4725,4317.93 ccw(c4707.93,4317.93) 4720,4330 4709.29,4319.29 cw(c4638.58,4390) 4638.58,4290 3595,4290 3595,3880 cw(c3590,3880)
GND on Bottom Layer "GND_L02_P069" (hatched Horizontal grid 4 track 5, remove dead copper, pour order 69): 5440,960 6400,960 6400,800 5440,800
GND on Bottom Layer "GND_L02_P068" (hatched Horizontal grid 4 track 5, remove dead copper, pour order 68): 5200,2045 5200,725 5453.53,725 5453.53,2038.53 cw(c5460,2038.53) 5460,2045
GND on Bottom Layer "GND_L02_P067" (hatched Horizontal grid 4 track 5, remove dead copper, pour order 67): 6030,2230 6610,2230 ccw(c6610,2275) 6655,2275 6655,4087 cw(c6653,4087) 6653,4085 6030,4085
GND on Bottom Layer "GND_L02_P066" (hatched Horizontal grid 4 track 5, remove dead copper, pour order 66): 5855,2410 6085,2410 6085,4030 5850,4030 cw(c5850,4025) 5855,4025
GND on Bottom Layer "GND_L02_P065" (hatched Horizontal grid 4 track 5, remove dead copper, pour order 65): 5200,4055 5200,2020 ccw(c5240,2020) 5240,1980 5859.55,1980 5859.55,4053.01 ccw(c5857.57,4053.01) 5857.57,4055
GND on Bottom Layer "GND_L02_P064" (hatched Horizontal grid 4 track 5, remove dead copper, pour order 64): 3570,4115 3570,4020 cw(c3565,4020) 3565,4015 6695,4015 6695,4107 ccw(c6691,4107) 6691,4111 3574,4111 cw(c3574,4115) 3570,4115 3570,4025 ccw(c3585,4025) 3585,4010
GND on Bottom Layer "GND_L02_P063" (hatched Horizontal grid 4 track 5, remove dead copper, pour order 63): 45,3605 45,4190 cw(c145,4190) 145,4290 3595,4290 3595,3880 cw(c3590,3880) 3590,3875 645.7,3875 ccw(c645.69,3869.3) 640,3869.3 640,3645 cw(c590,3645) 590,3595 55,3595 cw(c55,3605)
PGND on Bottom Layer "PGND_L02_P026" (hatched Horizontal grid 4 track 5, remove dead copper, pour order 26): 2395,560 3245,560 3245,3750 2395,3750
PGND on Bottom Layer "PGND_L02_P050" (hatched Horizontal grid 4 track 5, remove dead copper, pour order 50): 3200,3752.5 3200,3597.5 3595,3597.5 3595,3752.5
VS3 on Bottom Layer "VS3_L02_P043" (hatched Horizontal grid 4 track 5, remove dead copper, pour order 43): 1031.5,1370 1031.5,1050 2330,1050 2330,1370
VS2 on Bottom Layer "VS2_L02_P042" (hatched Horizontal grid 4 track 5, remove dead copper, pour order 42): 1035,2325 1035,2005 2330,2005 2330,2325
UX on Bottom Layer "UX_L02_P041" (hatched Horizontal grid 4 track 5, remove dead copper, pour order 41): 1035,3275 1035,2955 2330,2955 2330,3275
PGND on Bottom Layer "PGND_L02_P032" (hatched Horizontal grid 4 track 5, remove dead copper, pour order 32): 710,1770 710,1420 2458.12,1420 2458.12,1770
PGND on Bottom Layer "PGND_L02_P031" (hatched Horizontal grid 4 track 5, remove dead copper, pour order 31): 710,2715 710,2380 2393.12,2380 2393.12,2715
PGND on Bottom Layer "PGND_L02_P030" (hatched Horizontal grid 4 track 5, remove dead copper, pour order 30): 930,3625 930,3320 2411.25,3320 2411.25,3625
VCC on Bottom Layer "VCC_L02_P028" (hatched Horizontal grid 4 track 5, remove dead copper, pour order 28): 40,660 675,660 675,3498.23 ccw(c623.23,3498.23) 623.23,3550 40,3550
VCC on Bottom Layer "VCC_L02_P027" (hatched Horizontal grid 4 track 5, remove dead copper, pour order 27): 35,40 745,40 745,365 35,365
VCC on Bottom Layer "VCC_L02_P025" (hatched Horizontal grid 4 track 5, remove dead copper, pour order 25): 40,660 40,365 1805,365 1805,660
PGND on Bottom Layer "PGND_L02_P024" (hatched Horizontal grid 4 track 5, remove dead copper, pour order 24): 1840,655 1840,320 3245,320 3245,570 ccw(c3160,570) 3160,655
PGND on Bottom Layer "PGND_L02_P023" (hatched Horizontal grid 4 track 5, remove dead copper, pour order 23): 785,315 785,60 ccw(c810,60) 795,40 3228.03,40 ccw(c3210,70) 3245,70 3245,330 800,330 ccw(c800,315)

## Other copper
Top Layer:
  pour cut-out: 1024.52,210 ccw(c1130,210) 1130,104.52 ccw(c1130,210) 1235.48,210 ccw(c1130,210) 1130,315.48 ccw(c1130,210)
  pour cut-out: 1024.52,210 ccw(c1130,210) 1130,104.52 ccw(c1130,210) 1235.48,210 ccw(c1130,210) 1130,315.48 ccw(c1130,210)
  region: 5127.13,3047.13
  region: 5127.13,3047.13
  region: 5127.13,3047.13
  pour cut-out: 1227.32,3870.69 1227.32,3840 640,3840 640,3869.3
  pour cut-out: 667.68,3555.58 635,3555.58 635,3865 666.95,3865
  pour cut-out: 40,3555 665,3555 665,3595 40,3595
Bottom Layer:
  pour cut-out: 1835,335 1835,365 770,365 770,335
  pour cut-out: 750,43.12 775,43.12 775,365 750,365
  pour cut-out: 1835,657.5 1805,657.5 1805,340 1835,340

## Silkscreen, mask and mechanical layers (free items; w line width, h text height)
Top Overlay:
  lines w20: 595,845 3080,845 3080,3475 595,3475 595,845
  text "GND" at 585,4145 h100
  text "GND" at 4408,4132.01 h30
  text "GND" at 4513,4132.01 h30
  text "GND" at 4613,4132.01 h30
  text "STATE" at 4810,4025 h40 r270
  text "FG" at 4905,4025 h40 r270
  text "5V" at 5100,4025 h40 r270
  text "5V" at 5190,4025 h40 r270
  text "GND" at 5495,4025 h40 r270
  text "PWM_IN" at 4968.33,3905 h40 r270
  text "UART_TX" at 5298.33,3900 h40 r270
  text "UART_RX" at 5403.33,3900 h40 r270
  text "Rated_Voltage: 12-60V / Rated_Current: 70A(MAX)" at 5625,3200 h80
  text "U" at 1915,3075 h100
  text "U" at 329.17,3052.29 h100
  text "V_Speed" at 6505,2413.33 h40
  text "V" at 1925,2115 h100
  text "V" at 329.17,2087.29 h100
  text "GND" at 6370,1885 h40
  text "DIO" at 6375,1780 h40
  text "CLK" at 6370,1680 h40
  text "5V" at 6375,1580 h40
  text "SWD" at 6245,1485 h40
  text "W" at 1915,1175 h100
  text "W" at 335,1145 h100
  text "U_POWER" at 3265,671.66 h40
  text "VCC" at 585,655 h100
  text "KeyPower" at 5925,573.33 h40
  text "GND" at 5333,543 h30
  text "5V" at 5463,543 h30
  text "12V" at 5558,543 h30
  text "15V" at 5658,543 h30
  text "1H" at 5640,360 h40 r270
  text "2C" at 5640,260 h40 r270
  text "3L" at 5645,140 h40 r270
  text "SUNTOP_HZ_OFFICE / BLDC_DEV_LKS074D(O) / Author: Dutch / Review: Arthur/Jensen / Vision: V1.10 / Date: 2024/8/25" at 1880,75 h70
Bottom Overlay:
  lines w20: 595,845 595,3475 3080,3475 3080,845 595,845
  text "福州新拓电子有限公司 / www.1632bit.com / 联系电话：0591-87767244 / 微信公众号：Suntop新拓电子 / 技术支持/资料获取/商务合作 / 请联系：dutch@1632bit.com" at 3210,50 h100
Bottom Solder:
  region: 610,1323.08 610,1025 920.95,1025 920.95,1323.08
  region: 590,2288.08 590,1990 925,1990 925,2288.08
  region: 600,3233.08 600,2953.08 925,2953.08 925,3233.08
  region: 2063.75,3245 2063.75,2965 2290,2965 2290,3245
  region: 2070,2290 2070,2010 2296.25,2010 2296.25,2290
  region: 2073.39,1321.1 2073.39,1041.1 2299.64,1041.1 2299.64,1321.1
  region: 1705,4275 1705,3900 3590,3900 3590,4275
  region: 2535,3268.31 2535,2960 2948.37,2960 2948.37,3268.31
  region: 2520,2315 2520,2005 2940,2005 2940,2315
  region: 2520,1355 2520,1050 2940,1050 2940,1355
  region: 70,3400 70,670 625,670 625,3400
Mechanical 1:
  the board outline again, w20

## Dimensions
0,0 to 7086.61,157.48 on Mechanical 1
157.48,0 to 157.48,4330.71 on Mechanical 1

## Text inside footprints (layer, text, board x,y; h text height)
CX1: Top Overlay "+" at 5112.59,61.52 h60 r90
?: Top Overlay "Designed By SUNTOP_HZ" at 5635,3666.66 h80